# Allegro board RK3588_Template_LP4XD200P232SD8_41R0X41R0_2133MHz_H1R6_V11_20220216.brd (continued)
## Routing (per net, layer and track width the routed paths; a pad name or vN(x,y) marks a point on that pad's centre or on a via; arc(x,y) is an arc through that point) (continued)
  L3-POWER1 w0.104: 45.03,61.67 43,63.71 43,73.81 37.01,79.79 37.01,81.8 33.72,85.09
UART8_TX_M1_BT: length 36.3
  TOP w0.089: U1000.AD27 v1(50.02,57.13)
  L3-POWER1 w0.089: 45.03,61.02 46.64,59.42 46.86,59.42 47.11,59.18 47.11,58.95 47.29,58.77 47.51,58.77 47.72,58.56 47.72,58.33 47.94,58.12 48.81,58.12 49.02,57.91 49.02,57.68 49.24,57.47 49.67,57.47 v1(50.02,57.13)
  L3-POWER1 w0.104: 33.39,85.09 36.78,81.7 36.78,79.7 42.76,73.72 42.76,63.3 45.03,61.02
USB20_HOST0_DM: length 28.4
  TOP w0.084: U1000.AL6 v1(64.31,61.68)
  BOTTOM w0.084: v1(64.31,61.68) 64.58,61.42 64.77,61.42 64.83,61.36 65.13,61.36 65.46,61.68 65.46,62.82 68.67,66.04 87.21,66.04 88.4,64.85 89.03,64.85
USB20_HOST0_DP: length 28.4
  TOP w0.084: v1(64.31,61.03) U1000.AK6
  BOTTOM w0.084: 89.03,64.64 88.32,64.64 87.12,65.84 68.76,65.84 65.66,62.74 65.66,61.59 65.22,61.15 64.75,61.15 64.69,61.21 64.5,61.21 v1(64.31,61.03)
USB20_HOST1_DM: length 29.2
  TOP w0.084: v1(63.01,62.33) U1000.AM7
  BOTTOM w0.084: v1(63.01,62.33) 63.24,62.1 63.36,62.1 63.62,62.36 63.85,62.36 64.03,62.54 64.03,62.65 64.03,62.76 64.2,62.93 64.31,62.93 64.42,62.93 68.42,66.93 87.71,66.93 88.91,65.74 89.03,65.74
USB20_HOST1_DP: length 29.1
  TOP w0.084: v1(63.01,61.68) U1000.AL7
  BOTTOM w0.084: v1(63.01,61.68) 63.24,61.9 63.45,61.9 63.7,62.16 63.93,62.16 68.5,66.73 87.63,66.73 88.82,65.53 89.03,65.53
USB_HOST_PWREN_H: length 48.8
  TOP w0.089: U1000.AK26 v1(50.67,60.38)
  L6-S2 w0.089: v1(50.67,60.38) 50.67,60.46 50.32,60.8 50.32,61.5 50.53,61.71 50.53,62.64 50.42,62.76 50.42,63.86
  L6-S2 w0.104: 50.42,63.86 50.42,64.01 52.4,65.99 52.4,68.37 57.14,73.11 57.71,73.68 60.14,73.68 60.15,73.7 62.53,73.7 62.55,73.68 80.42,73.68 81.05,74.31 81.35,74.61 89.03,74.61
VGA_HPDIN_L: length 43.9
  TOP w0.089: v1(51.97,44.78) U1000.E25
  L6-S2 w0.104: v1(46.48,27.81) 46.36,27.69 32.75,27.69 32.36,28.08 23.88,28.08
  BOTTOM w0.089: 52.7,41.04 52.7,42.13 52.29,42.55 52.29,42.76 52.29,42.77 52.29,42.96 52.29,44.45 v1(51.97,44.78)
  BOTTOM w0.104: v1(46.48,27.81) 47.88,29.21 47.88,34.93 51.05,38.1 52.32,38.1 52.7,38.48 52.7,41.04
VSEL4: length 45
  TOP w0.089: U1000.T32 v1(46.76,51.93)
  TOP w0.104: v1(98.81,104.78) R1109.1
  L3-POWER1 w0.089: 44.99,53.86 45.11,53.74 45.14,53.74 46.76,52.12 v1(46.76,51.93)
  L3-POWER1 w0.104: 44.99,53.86 33.02,65.83 33.02,66.84 29.1,70.76 26.39,70.76 26.2,70.76 24.85,72.11 24.85,85.09
VSEL5: length 25.5
  TOP w0.089: U1000.T30 48.39,51.6 v1(48.72,51.93)
  BOTTOM w0.089: 44.1,50.42 43.97,50.54 42.93,50.54 ; v1(48.72,51.93) 48.39,51.6 48.39,51.15 48.01,50.76 45.79,50.76 45.6,50.95 45.24,50.95 44.71,50.42
  BOTTOM w0.104: 44.1,50.42 44.22,50.3 44.59,50.3 44.71,50.42 ; v1(25.78,48.9) 25.91,48.77 28.26,48.77 29.14,49.65 29.14,49.92 29.15,49.93 29.16,49.93 29.46,50.23 38.3,50.23 38.61,50.54 42.93,50.54
WIFI_REG_ON_H: length 32.1
  TOP w0.089: U1000.AH29 v1(48.72,59.73)
  L3-POWER1 w0.089: 46.38,63.86 46.46,63.78 46.46,63.5 46.64,63.32 46.92,63.32 47.11,63.13 47.11,61.55 47.32,61.34 47.54,61.34 47.76,61.13 47.76,60.9 47.94,60.72 48.16,60.72 48.72,60.17 v1(48.72,59.73)
  L3-POWER1 w0.104: 34.7,85.09 37.7,82.08 37.7,80.08 38.11,79.67 38.11,79.67 45.85,71.94 45.85,64.39 46.38,63.86
WIFI_WAKE_HOST_H: length 29.6
  TOP w0.089: U1000.K29 49.04,47.7 v1(49.37,47.38)
  L6-S2 w0.089: v1(49.37,47.38) 49.02,47.73 45.95,47.73 45.72,47.5 44.99,47.5
  L6-S2 w0.104: v1(25.27,40.39) 25.53,40.13 25.53,39.37 25.65,39.24 27.81,39.24 29.59,41.02 29.59,41.78 30.1,42.29 39.08,42.29 44.29,47.5 44.99,47.5
XIN24M: length 12
  TOP w0.203: Y1100.3 36.43,50.35 38.66,50.35 38.86,50.55 38.86,51.1 39.07,51.31 39.82,51.31 C1102.1 40.58,51.05 R1103.2 41.4,51.05 41.87,50.58 42.66,50.58 43.17,51.08 45.66,51.08 U1000.R34
XOUT24M: length 4.7
  TOP w0.203: R1101.2 R1103.1 42.67,51.05 43.05,51.44 45.62,51.44 U1000.T34
N16895373: length 1.8
  TOP w0.203: v1(13.72,58.8) 13.45,58.54 U4000.C2
  BOTTOM w0.104: C4009.1 v1(13.72,58.8)
N17716140: length 3.4
  BOTTOM w0.508: C2261.2 88.34,106.44 D2200.2 87.45,107.7 86.94,107.19 R2216.2
N17724884: length 19.3
  TOP w0.089: v1(48.72,49.33) 48.39,49.65 U1000.N30
  TOP w0.104: R1107.1 31.62,49.46 v1(31.62,49.66)
  L6-S2 w0.089: v1(48.72,49.33) 48.37,49.68 48.2,49.68 48.19,49.67 47.94,49.67 47.93,49.68 47.55,49.68 47.54,49.67 46.61,49.67 46.6,49.65 45.15,49.65 45.15,49.66 44.99,49.66
  L6-S2 w0.104: v1(31.62,49.66) 32.53,50.57 42.14,50.57 43.05,49.66 44.99,49.66
N17725044: length 45.1
  TOP w0.089: U1000.R32 v1(46.76,51.28)
  L3-POWER1 w0.089: v1(46.76,51.28) 46.42,51.62 46.42,52.1 44.99,53.53
  L3-POWER1 w0.104: 24.62,85.09 24.62,72.01 26.1,70.53 26.48,70.53 29,70.53 32.79,66.75 32.79,65.73 44.66,53.86 44.99,53.53
N17758514: length 3.4
  TOP w0.203: U2301.D4 U2301.D3 U2301.E3 ; U2301.D4 U2301.E4 ; U2301.D4 36.47,14.37 36.58,14.48 ; U2301.E3 U2301.E4 ; U2301.E3 37.28,13.53 ; U2301.E4 36.87,14.26 ; U2301.E4 37.3,13.93
N17758921: length 3
  TOP w0.203: U2300.E4 U2300.D4 ; U2300.E4 46.52,14.39 ; U2300.E4 U2300.E3 ; U2300.E4 46.95,14.06 ; U2300.D4 46.12,14.37 ; U2300.D4 U2300.D3 U2300.E3 ; U2300.E3 46.81,13.66
N17759951: length 2.3
  TOP w0.203: U2303.E4 69.28,80.05 69.37,80.14 ; U2303.E4 U2303.D4 U2303.D3 U2303.E3 ; U2303.E4 U2303.E3 ; U2303.E3 69.68,80.08 69.62,80.14
N18051724: length 0.9
  TOP w0.254: U1000.AF20 v1(54.57,57.78)
  BOTTOM w0.254: v1(54.57,57.78) 54.36,57.98 C1600.1
N18051781: length 1
  TOP w0.254: U1000.AF19 v1(55.22,57.78)
  BOTTOM w0.254: v1(55.22,57.78) 55.37,57.78 C1608.1
N18063750: length 0.9
  TOP w0.102: U3800.G2 v1(76.06,52.47)
  BOTTOM w0.102: v1(76.06,52.47) 76.04,52.45 R3806.2
N18063752: length 1.1
  TOP w0.089: U3800.A5 v1(79.06,56.98)
  BOTTOM w0.102: R3809.2 79.6,57.04 79.13,57.04 v1(79.06,56.98)
N18063754: length 0.9
  TOP w0.254: v1(80.83,56.96) U3800.A8
  BOTTOM w0.102: v1(80.83,56.96) 80.75,57.04 80.42,57.04 R3810.2
N18396694: length 2.4
  TOP w0.254: v1(107.78,109.77) U2302.1
  BOTTOM w0.104: R2304.2 108.08,109.47 v1(107.78,109.77) 107.49,109.47 C2329.1
N18396710: length 4.2
  TOP w0.254: v1(107.7,106.97) U2302.5
  BOTTOM w0.254: v1(107.7,106.97) 107.41,107.26 R2307.1 105.55,107.26 R2305.2 C2320.2
N19366700: length 0.9
  TOP w0.089: U1000.G8 v1(63.01,45.43)
  BOTTOM w0.089: v1(63.01,45.43) 62.87,45.58 R1202.1
N21016906: length 4.1
  TOP w0.203: Y1100.1 38.35,51.22 38.35,51.25 38.79,51.69 39.93,51.69 40.13,51.89 40.13,52 40.33,52.2 40.46,52.07 R1101.1
N23213062: length 1.1
  TOP w0.089: v1(55.87,44.78) 56.19,45.1 U1000.F18
  BOTTOM w0.089: v1(55.87,44.78) 56.08,44.78 R1203.1
N23230466: length 14.4
  TOP w0.086: 34.04,50.98 R1317.1
  TOP w0.089: 34.04,50.98 34.04,52.2 34.4,52.56 34.56,52.56 34.56,52.57 38.51,52.57 39.16,53.21 43.28,53.21 43.53,52.97 43.53,52.86 43.94,52.45 45.21,52.45 45.66,52.9 U1000.V34
N24141374: length 1.5
  TOP w0.119: v1(63.66,45.43) 63.34,45.75 U1000.H7
  BOTTOM w0.089: v1(63.66,45.43) 63.63,45.47 R1201.1
N24452184: length 2.3
  TOP w0.107: U4000.H5 v1(10.95,56.71)
  BOTTOM w0.104: R4003.2 R4004.1
  BOTTOM w0.107: R4004.1 10.94,56.72 v1(10.95,56.71)
N25235330: length 0.9
  TOP w0.254: U1000.AF3 v1(66.26,57.78)
  BOTTOM w0.254: v1(66.26,57.78) 66.66,57.78 R1730.1
N26065462: length 8.3
  TOP w0.089: U1000.Y32 47.09,54.2 v1(46.76,54.53)
  BOTTOM w0.086: R1314.1 39.7,54.1 39.83,53.98 39.84,53.98 40,53.81 44.99,53.81
  BOTTOM w0.089: v1(46.76,54.53) 46.04,53.81 44.99,53.81
N26065494: length 9.5
  TOP w0.089: v1(46.76,55.18) 47.09,54.85 U1000.AA32
  BOTTOM w0.086: 44.99,54.1 40.14,54.1 39.69,54.54 38.93,54.54 38.67,54.8 38.67,54.95 R1315.1
  BOTTOM w0.089: v1(46.76,55.18) 45.68,54.1 44.99,54.1
N26065519: length 10.7
  TOP w0.086: R1316.1 37.37,53.12 37.37,53.12
  TOP w0.089: U1000.V33 46.21,52.9 45.91,53.2 45.32,53.2 45.21,53.1 45.21,52.82 45.11,52.71 44.96,52.71 44.86,52.82 44.86,53.1 44.75,53.2 43.96,53.2 43.43,53.72 38.93,53.72 38.81,53.59 38.48,53.59 37.97,53.08 37.41,53.08 37.37,53.12
N26065546: length 16.3
  TOP w0.086: 38.61,56.26 34.8,56.26 34.42,55.88 32.16,55.88 30.89,54.61 R1318.1
  TOP w0.089: U1000.AA34 44.59,54.85 44.26,55.18 39.94,55.18 38.86,56.26 38.61,56.26
N63228233: length 1
  TOP w0.102: U3801.T2 58.32,32.79 58,33.11 v1(58,33.12)
  BOTTOM w0.102: v1(58,33.12) 58.25,33.37 R3817.1
N63228239: length 1.1
  TOP w0.102: v1(63.77,33.16) U3801.G2
  BOTTOM w0.102: v1(63.77,33.16) 64.03,33.43 R3816.2
N63228245: length 1.3
  TOP w0.102: U3801.A5 v1(68.4,30.68)
  BOTTOM w0.102: v1(68.4,30.68) 68.83,30.24 R3818.2
N63228247: length 2
  TOP w0.102: U3801.A8 68.07,27.81 68.33,27.56 68.86,27.56
  TOP w0.104: v1(69.22,27.79) 68.99,27.56 68.86,27.56
  BOTTOM w0.102: R3819.2 68.86,27.81
  BOTTOM w0.104: v1(69.22,27.79) 69.19,27.81 68.86,27.81
N63380732: length 1
  TOP w0.102: U3800.T2 v1(76,47.24)
  BOTTOM w0.102: v1(76,47.24) 75.87,47.37 R3807.1
N65887084: length 0.9
  TOP w0.254: U1000.W8 v1(63.01,53.23)
  BOTTOM w0.254: R1200.1 63,53.21 v1(63.01,53.23)

## Copper pours and planes (outline as drawn; the poured copper is in the pictures)
GND on TOP (solid shape): 74.83,77.72 71.53,77.72 71.15,78.11 71.15,78.99 71.25,78.99 71.51,79.25 74.83,79.25
GND on TOP (solid shape): 36.32,11.81 36.32,7.49 36.2,7.37 34.29,7.37 34.16,7.49 34.16,11.3 35.05,12.19 35.94,12.19
GND on TOP (solid shape): 42.42,21.72 42.42,17.91 42.04,17.53 41.15,17.53 40.89,17.78 40.89,21.72 41.02,21.84 42.29,21.84
GND on TOP (solid shape): 104.39,102.49 104.14,102.23 103.38,102.23 103.12,102.49 103.12,104.39 103.38,104.65 103.38,105.54 103.5,105.66 104.39,105.66
GND on TOP (solid shape): 68.86,79.12 68.86,77.09 68.73,76.96 67.31,76.96 67.31,78.99 68.22,78.99 68.35,79.12 68.46,79.12 68.58,79.25 68.73,79.25
GND on TOP (solid shape): 84.18,101.36 83.13,101.36 82.83,101.06 82.83,100.71 82.83,100.71 80.12,100.71 79.76,101.07 79.76,101.32 79.45,101.64 79.76,101.95 84.18,101.95
GND on TOP (solid shape): 83.09,99.06 83.18,99 83.16,98.89 82.44,98.17 78.74,98.17 78.74,99.06
GND on TOP (solid shape): 66.36,23.3 69.09,23.3 69.19,23.24 69.16,23.13 68.92,22.89 66.21,22.89 65.35,23.75 65.92,23.75
GND on TOP (solid shape): 36.07,21.34 36.07,14.99 36.19,14.86 36.19,14.35 35.21,14.35 35.16,14.4 34.37,14.4 34.29,14.48 34.29,15.75 34.04,16 34.04,19.81 34.42,20.19 34.42,21.08 34.92,21.59 35.81,21.59
GND on TOP (solid shape): 92.2,112.17 92.27,112.26 92.38,112.24 92.48,112.14 93.08,112.14 93.32,111.91 93.32,109.3 92.98,108.96 92.63,108.96 92.41,108.74 92.2,108.94
GND on TOP (solid shape): 34.2,52.84 34.25,52.81 34.24,52.75 33.79,52.3 33.79,51.2 32.29,51.2 32.29,51.13 29.61,51.13 29.51,51.23 19.18,51.23 19.18,51.68 29.64,51.68 29.72,51.6 33.36,51.6 33.59,51.83 33.59,52.35 34.08,52.84
GND on TOP (solid shape): 44.84,55.92 44.92,55.88 44.94,55.8 44.95,55.67 45.01,55.56 45.01,55.37 44.83,55.37 44.48,55.72 40.13,55.72 40.11,55.74 40.09,55.85 40.18,55.92
GND on TOP (solid shape): 45.72,19.94 45.72,19.56 45.47,19.3 45.47,18.54 45.72,18.29 45.72,17.91 45.47,17.65 45.47,16.89 45.72,16.64 45.72,16.26 45.47,16 45.47,15.11 45.59,14.99 45.73,14.99 45.86,14.85 45.87,14.74 45.87,14.71 45.86,14.68 45.85,14.64 45.85,14.52 45.8,14.48 44.86,14.48 44.83,14.51 44.04,14.51 43.94,14.61 43.94,19.69 44.32,20.07 45.59,20.07
GND on TOP (solid shape): 87.52,105.54 88.03,105.54 88.08,105.49 88.08,104.39 88.08,104.34 88.1,104.28 88.1,104.17 88.13,104.14 88.14,104.08 88.09,104.05 87.53,104.05 87.17,104.41 87.2,104.47 87.23,104.47 87.23,104.52 87.38,104.52 87.38,105.28 87.23,105.28 87.23,105.33 87.16,105.33 87.16,105.74 87.32,105.74
GND on TOP (solid shape): 19.18,54.27 19.24,54.36 19.35,54.34 19.58,54.11 20.69,54.11 20.78,54.13 20.86,54.18 20.96,54.28 21.13,54.11 29.85,54.11 29.97,53.98 31.09,53.98 31.48,54.37 31.55,54.29 31.58,54.24 31.15,53.81 29.79,53.81 29.64,53.66 19.34,53.66 19.18,53.82
GND on TOP (solid shape): 43.81,12.57 43.81,12.19 43.94,12.07 44.34,12.07 44.45,12.05 44.56,12.07 44.58,12.07 44.59,12.08 44.7,12.15 44.78,12.26 44.83,12.32 45.75,12.32 45.75,12.31 45.97,12.09 45.97,11.81 45.72,11.56 45.72,10.41 45.97,10.16 45.97,9.78 45.72,9.53 45.72,8.13 45.97,7.87 45.97,7.62 45.85,7.49 43.94,7.49 42.8,8.64 42.8,12.7 42.93,12.83 43.56,12.83
GND on TOP (solid shape): 106.68,111.38 106.68,110.62 106.43,110.36 106.43,109.22 106.68,108.97 106.68,107.7 106.66,107.67 106.61,107.67 106.61,107.62 106.55,107.57 106.55,106.3 106.59,106.27 108.59,106.27 108.7,106.16 108.7,102.6 108.59,102.49 107.06,102.49 106.93,102.62 106.93,102.87 106.93,102.87 106.93,104.45 106.61,104.78 106.43,104.78 106.43,105.54 106.17,105.79 106.17,105.9 105.66,106.4 105.66,107.55 105.41,107.8 105.41,108.84 105.79,109.22 105.79,110.24 105.28,110.74 105.28,111.38 105.41,111.51 106.55,111.51
GND on TOP (solid shape): 38.71,55.68 39.37,55.02 39.39,54.91 39.3,54.85 38.97,54.85 38.92,54.9 38.92,55.15 38.57,55.49 37.44,55.49 37.36,55.57 35.02,55.57 34.7,55.24 33.4,55.24 33,54.84 32.62,54.84 32.56,54.77 32.55,54.77 32.01,54.23 31.99,54.23 31.95,54.26 31.96,54.32 32.02,54.39 32.1,54.5 32.14,54.62 32.27,54.66 32.38,54.74 32.46,54.82 32.5,54.89 32.53,54.98 32.65,55.1 32.69,55.26 32.69,55.28 32.76,55.34 34.09,55.34 34.1,55.34 34.64,55.34 35.02,55.72 38.67,55.72
GND on TOP (solid shape): 98.66,110.77 98.93,110.65 99.21,110.77 99.22,110.79 99.28,110.79 99.29,110.77 99.4,110.69 99.52,110.65 99.57,110.64 99.57,108.84 99.81,108.84 99.81,107.82 99.72,107.82 99.44,107.55 99.44,106.07 99.84,105.66 100.58,105.66 100.58,104.75 100.55,104.7 100.5,104.71 100.44,104.78 99.16,104.78 99.16,104.82 99.03,105.05 98.78,105.13 98.71,105.15 98.67,105.2 97.54,105.2 97.54,105.36 97.77,105.36 97.77,105.41 97.92,105.41 97.92,106.17 97.77,106.17 97.77,106.22 97.54,106.22 97.54,106.38 97.77,106.38 97.77,106.43 97.92,106.43 97.92,107.19 97.77,107.19 97.77,107.23 96.91,107.23 96.91,107.23 96.87,107.15 96.77,107.14 96.74,107.15 96.7,107.16 96.61,107.22 96.64,107.33 96.91,107.6 97.64,107.6 97.64,107.64 97.79,107.64 97.79,108.41 97.64,108.41 97.64,108.45 97.56,108.45 97.56,108.64 97.62,108.71 98.54,108.71 98.54,110.02 98.43,110.02 98.43,110.71 98.54,110.71 98.54,110.79 98.64,110.79
GND on TOP (solid shape): outline of 82 points within 19.18,52.76 38.5,55.07
GND on TOP (solid shape): outline of 395 points within 68.02,35.51 86.04,42.18
GND on TOP (solid shape): outline of 8361 points within 19.18,4.06 120.52,126.49
GND on BOTTOM (solid shape): 49.04,51.75 49.37,51.6 49.69,51.75 49.77,51.71 49.8,51.68 49.84,51.6 49.8,51.53 49.74,51.45 49.7,51.37 49.7,51.36 49.37,51.03 49.37,50.66 49.37,50.65 49.35,50.54 49.37,50.44 49.37,50.35 49.3,50.3 49.2,50.26 49.12,50.19 49.04,50.16 48.71,50.31 48.39,50.16 48.31,50.19 48.29,50.22 48.26,50.24 48.26,50.32 48.05,50.53 48.53,51.01 48.56,50.99 48.99,51.09 48.93,51.53 48.89,51.6 48.93,51.68 48.96,51.71
GND on BOTTOM (solid shape): 59.96,52.74 60.01,52.75 60.05,52.7 60.05,52.55 60.1,52.5 60.1,52.49 60.14,52.4 60.2,52.33 60.24,52.25 60.09,51.93 60.24,51.6 60.09,51.28 60.24,50.95 60.2,50.88 60.1,50.55 60.34,50.31 60.35,50.31 60.45,50.21 60.45,50.19 60.47,50.11 60.52,50.05 60.55,49.98 60.44,49.88 60.36,49.92 60.13,50.04 59.89,49.93 59.81,49.89 59.73,49.93 59.62,50.01 59.48,50.04 59.45,50.05 59.43,50.08 59.39,50.16 59.33,50.23 59.29,50.3 59.33,50.38 59.39,50.45 59.43,50.54 59.43,50.55 59.55,50.67 59.56,50.67 59.75,50.95 59.57,51.23 59.56,51.23 59.52,51.28 59.56,51.32 59.57,51.33 59.75,51.6 59.57,51.88 59.56,51.88 59.52,51.93 59.57,51.98 59.58,51.98 59.74,52.26 59.56,52.53 59.56,52.53 59.47,52.62 59.46,52.67 59.51,52.7 59.92,52.7
GND on BOTTOM (solid shape): 50.34,47.2 50.42,47.16 50.49,47.1 50.58,47.06 50.59,47.06 51.19,46.46 51.27,46.46 51.27,46.33 51.28,46.26 51.28,45.81 51.27,45.72 51.28,45.64 51.28,45.07 50.61,44.4 50.59,44.4 50.46,44.38 50.35,44.31 50.31,44.3 50.28,44.32 50.03,44.46 49.77,44.34 49.69,44.31 49.36,44.46 49.04,44.31 48.96,44.34 48.92,44.38 48.88,44.41 48.85,44.43 48.85,44.51 49.1,44.51 49.56,44.97 49.56,45.17 49.59,45.19 49.61,45.21 49.69,45.25 50.02,45.1 50.34,45.25 50.42,45.21 50.9,45.2 50.88,45.68 50.84,45.75 50.88,45.83 50.9,46.31 50.42,46.29 50.34,46.26 50.26,46.29 50.09,46.4 49.88,46.38 49.85,46.37 49.82,46.39 49.79,46.43 49.76,46.47 49.69,46.54 49.69,46.73 49.7,46.76 49.74,46.78 49.84,46.8 49.93,46.86 50.01,46.94 50.03,46.97 50.06,47.02 50.1,47.06 50.11,47.06 50.19,47.1 50.26,47.16
GND on BOTTOM (solid shape): 54.41,60.68 54.48,60.61 54.52,60.52 54.58,60.45 54.62,60.38 54.58,60.3 54.48,60.14 54.49,59.96 54.5,59.94 54.56,59.85 54.63,59.8 54.64,59.79 54.68,59.75 54.64,59.71 54.63,59.71 54.48,59.46 54.6,59.19 54.65,59.11 54.62,59.03 54.54,58.7 54.82,58.51 54.92,58.51 55.03,58.54 55.1,58.61 55.17,58.67 55.26,58.64 55.33,58.56 55.33,58.55 55.35,58.48 55.39,58.43 55.42,58.36 55.39,58.29 55.35,58.23 55.33,58.16 55.33,58.14 55.29,58.1 55.27,58.1 55.11,58.09 54.97,57.99 54.89,57.96 54.81,57.99 54.74,58.05 54.65,58.09 54.6,58.35 54.36,58.47 54.26,58.47 54.14,58.43 54.07,58.33 54.06,58.29 53.95,58.29 53.89,58.35 53.84,58.41 53.57,58.67 53.11,58.67 53.04,58.6 52.96,58.57 52.88,58.62 52.86,58.65 52.83,58.68 52.79,58.75 52.94,59.08 52.79,59.4 52.94,59.73 52.79,60.05 52.83,60.13 52.92,60.26 52.94,60.41 52.98,60.5 53.08,60.51 53.34,60.49 53.59,60.59 53.96,60.48 54.31,60.65
GND on BOTTOM (solid shape): outline of 91 points within 57.6,45.21 62.67,47.18
GND on BOTTOM (solid shape): outline of 24647 points within 2.92,4.06 120.52,126.49
GND on L2-GND1 (solid shape): outline of 44155 points within 19.18,4.06 120.52,126.49
GND on L3-POWER1 (solid shape): 94.87,101.35 94.87,98.91 93.98,98.02 93.98,96.63 93.87,96.52 88.37,96.52 88.27,96.63 88.27,102 88.88,102.62 93.6,102.62
GND on L3-POWER1 (solid shape): 32.58,66.66 32.58,66.07 32.52,65.97 32.41,65.99 28.25,70.15 28.23,70.26 28.32,70.33 28.92,70.33
GND on L3-POWER1 (solid shape): 33.46,66.58 33.52,66.67 33.63,66.65 34.4,65.88 34.4,65.64 35.24,64.8 36.09,64.8 41.69,59.2 41.69,58.02 41.63,57.92 41.52,57.95 33.46,66.01
GND on L3-POWER1 (solid shape): 43.51,73.41 43.57,73.5 43.69,73.48 45.39,71.78 45.39,63.63 45.45,63.56 45.5,63.53 45.9,63.13 45.88,63.1 45.89,62.84 46.12,62.71 46.2,62.68 46.23,62.61 46.23,61.65 46.16,61.56 46.05,61.58 45.21,62.42 45.18,62.47 43.51,64.13
GND on L3-POWER1 (solid shape): 80.58,99.02 80.58,98.26 82.93,95.91 82.93,93.24 83.46,92.71 93.45,92.71 93.86,93.11 93.97,93.14 94.03,93.04 94.03,92 93.97,91.9 93.86,91.92 93.83,91.95 86,91.95 85.75,91.69 84.73,91.69 83.84,90.81 81.79,90.81 81.66,90.93 81.66,95.48 80.88,96.27 78.73,96.27 78.64,96.33 78.54,96.36 78.45,96.43 78.48,96.53 79.25,97.3 79.25,99.8 79.1,99.95 79.07,100.06 79.16,100.12 79.26,100.15 79.34,100.19 79.38,100.22
GND on L3-POWER1 (solid shape): outline of 135 points within 65.91,43.43 71.37,49.78
GND on L3-POWER1 (solid shape): outline of 8662 points within 19.18,4.06 120.52,126.49
GND on L4-GND2 (solid shape): 103.52,68.35 103.63,68.37 103.69,68.28 103.69,40.3 99.72,36.32 89.81,36.32 88.97,35.48 88.86,35.46 88.8,35.56 88.8,44.36 99.34,54.9 99.34,64.17
GND on L4-GND2 (solid shape): 88.56,103.24 88.62,103.34 88.73,103.32 90.19,101.85 93.49,101.85 93.85,101.49 93.85,96.75 92.96,95.86 92.96,95.86 92.9,95.76 92.79,95.78 92.31,96.27 88.75,96.27 88.39,96.63 88.39,102.05 88.56,102.21
GND on L4-GND2 (solid shape): 89.74,70.71 89.85,70.74 89.92,70.64 89.92,69.83 89.28,69.19 89.28,67.71 89.92,67.08 89.92,55.52 90.45,54.99 96.88,54.99 98.1,56.21 98.21,56.23 98.27,56.14 98.27,55.34 88.18,45.25 88.07,45.23 88.01,45.32 88.01,68.98
GND on L4-GND2 (solid shape): 60.58,41.43 60.64,41.53 60.75,41.5 60.83,41.42 60.83,41.01 60.77,40.84 60.83,40.66 60.83,39.95 60.77,39.77 60.83,39.6 60.83,36.98 61.51,36.31 61.53,36.19 61.43,36.13 60.49,36.13 60.39,36.19 60.41,36.31 60.58,36.47
GND on L4-GND2 (solid shape): 87.56,27.76 87.67,27.78 87.73,27.69 87.73,25.24 85.12,22.63 55.96,22.63 55.54,23.05 54.65,23.05 54.25,23.45 54.23,23.56 54.33,23.62 56.41,23.62 56.64,23.48 56.87,23.62 57.58,23.62 57.66,23.61 57.73,23.62 78.85,23.62 79.51,23.41 80.18,23.62 83.42,23.62
GND on L4-GND2 (solid shape): outline of 377 points within 99.56,90.35 104.75,101.65
GND on L4-GND2 (solid shape): outline of 638 points within 71.37,96.65 79.63,102.75
GND on L4-GND2 (solid shape): outline of 1108 points within 19.18,4.06 120.52,126.49
GND on L5-POWER2 (solid shape): outline of 705 points within 43.05,77.21 69.39,88.27
GND on L5-POWER2 (solid shape): outline of 23241 points within 19.18,4.06 120.52,126.49
GND on L6-S2 (solid shape): 52.2,66.08 51.79,65.67 51.68,65.64 51.61,65.74 51.61,67.96 51.93,68.28 52.2,68.28
GND on L6-S2 (solid shape): 71.73,59.22 71.82,59.16 71.8,59.05 69.85,57.1 69.78,57.02 69.6,57.02 69.6,57.2 71.12,58.73 71.61,59.22
GND on L6-S2 (solid shape): 42.86,52.84 42.86,52.81 42.87,52.68 42.93,52.56 42.93,52.27 37.96,52.27 37.48,51.79 33.19,51.79 33.1,51.85 33.12,51.96 33.54,52.39 38.85,52.39 39.47,53.01 42.68,53.01
GND on L6-S2 (solid shape): 55.17,42.97 55.28,42.99 55.34,42.9 55.34,42.52 55.24,42.42 55.24,41.96 54.65,41.36 54.65,40.35 54.48,40.18 54.37,40.16 54.3,40.25 54.3,41.57 54.68,41.95 54.68,42.49
GND on L6-S2 (solid shape): 30.38,55.34 31.97,55.34 32.04,55.31 32.07,55.25 32.08,55.21 32.09,55.17 32.08,55.08 32,55.03 25.09,55.03 24.99,55.09 25.01,55.2 25.53,55.72 30,55.72
GND on L6-S2 (solid shape): 68.27,42.06 69.72,42.06 69.82,41.96 69.84,41.85 69.75,41.79 68.37,41.79 66.88,43.28 66.85,43.31 66.78,43.35 66.02,43.35 65.8,43.57 65.78,43.68 65.88,43.74 66.59,43.74
GND on L6-S2 (solid shape): 62.66,43.22 62.71,43.13 62.71,42.54 64.67,40.59 64.87,40.59 65.01,40.46 65.03,40.35 64.94,40.28 64.42,40.28 62.22,42.48 62.22,43.04 62.17,43.09 62.17,43.18 62.23,43.18 62.24,43.17 62.4,43.15 62.55,43.21
GND on L6-S2 (solid shape): 82.03,57.72 82.05,57.61 81.96,57.54 81.79,57.47 81.7,57.31 81.7,57.29 81.65,57.24 81.58,57.31 81.51,57.36 81.44,57.38 81.41,57.39 81.39,57.43 81.39,57.91 81.12,58.19 80.9,58.19 80.74,58.35 80.72,58.46 80.81,58.52 81.22,58.52
GND on L6-S2 (solid shape): 67.1,56.07 67.19,56.01 67.17,55.9 66.21,54.94 66.02,54.94 65.94,54.98 65.92,55.07 65.93,55.26 65.83,55.43 65.79,55.5 65.83,55.58 65.92,55.7 65.94,55.85 65.94,55.87 66.02,55.96 66.9,55.96 67.02,56.07
GND on L6-S2 (solid shape): 57.13,38.85 57.13,37.15 57.09,37.11 56.59,37.11 56.36,36.89 56.29,36.86 56.21,36.89 56.13,36.97 56.13,37.1 56.2,37.1 56.45,37.35 56.45,37.38 56.49,37.45 56.85,37.54 56.97,37.8 56.97,37.82 56.97,38.18 56.66,38.49 56.5,38.49 56.45,38.52 56.46,38.58 56.48,38.59 56.48,38.9 56.6,38.9 56.84,39.13
GND on L6-S2 (solid shape): 72.51,58.52 72.6,58.46 72.58,58.35 72.53,58.28 72.51,58.19 72.51,58.09 72.45,58.09 72.39,58.11 72.34,58.12 72.07,58.12 69.78,55.83 69.76,55.83 69.51,55.71 69.41,55.37 69.33,55.33 69.01,55.33 68.92,55.4 68.94,55.51 69.85,56.42 70.03,56.42 70.46,56.85 72.13,58.52
GND on L6-S2 (solid shape): 64.64,43.3 64.72,43.26 64.84,43.18 64.99,43.15 65.01,43.15 65.08,43.08 65.08,42.89 65.09,42.88 65.09,42.78 65.08,42.76 65.08,42.46 65.27,42.28 65.33,42.24 65.41,42.22 65.83,42.22 66.35,41.7 66.35,41.57 66.96,40.96 66.98,40.92 67.01,40.89 69.38,38.52 69.38,38.05 69.32,37.96 69.21,37.98 65.2,41.98 64.98,41.98 64.18,42.77 64.18,43.05 64.22,43.12 64.29,43.15 64.44,43.18 64.56,43.26
GND on L6-S2 (solid shape): 72.25,51.97 72.35,51.99 72.42,51.9 72.58,51.64 72.88,51.62 72.89,51.62 73.65,51.62 73.88,51.85 74.16,51.85 74.25,51.81 74.26,51.71 74.22,51.6 74.23,51.49 74.21,51.41 74.13,51.37 72.5,51.37 72.23,51.65 71.67,51.65 71.39,51.37 71.18,51.37 70.9,51.65 70.34,51.65 70.06,51.37 69.86,51.37 69.58,51.65 69.02,51.65 68.74,51.37 68.54,51.37 68.26,51.65 67.7,51.65 67.42,51.37 67.13,51.37 66.88,51.63 66.86,51.65 66.81,51.68 66.81,51.76 72.03,51.76
GND on L6-S2 (solid shape): 32.63,54.02 32.72,53.98 32.73,53.88 32.97,53.51 33.21,53.88 33.22,53.98 33.3,54.02 33.88,54.02 34.45,53.45 37.49,53.45 37.84,53.81 38.04,53.81 38.13,53.75 38.11,53.64 38.02,53.55 38.02,53.39 37.92,53.29 28.93,53.29 28.01,52.38 26.92,52.38 26.82,52.44 26.84,52.55 27.61,53.32 27.93,53.32 28.63,54.02
GND on L6-S2 (solid shape): 67.02,38.2 67.08,38.3 67.19,38.27 67.24,38.23 67.24,33.77 66.56,33.09 66.35,33.09 66.02,32.76 65.98,32.69 65.91,32.67 65.86,32.67 65.78,32.69 65.75,32.77 65.75,33.31 66.13,33.69 66.13,33.87 66.23,33.98 66.59,33.96 66.64,34.32 66.61,34.35 66.67,34.42 66.67,34.7 66.71,34.77 66.78,34.8 67.1,35 67.02,35.37
GND on L6-S2 (solid shape): 66.42,45.49 66.45,45.45 66.47,45.41 66.64,45.25 66.67,45.25 66.67,45.21 66.71,45.18 66.74,45.1 66.7,45.03 66.61,44.66 66.92,44.45 66.94,44.45 68.64,42.75 68.65,42.69 68.6,42.66 68.53,42.66 66.84,44.35 65.86,44.35 65.83,44.38 65.8,44.46 65.83,44.53 65.94,44.78 65.79,45.1 65.83,45.18 65.92,45.3 65.94,45.45 65.94,45.47 66.03,45.57 66.34,45.57
GND on L6-S2 (solid shape): 56.26,35.19 56.29,35.24 56.35,35.23 56.6,34.98 56.98,34.98 56.98,34.43 57.08,34.33 57.08,33.93 56.75,33.93 56.24,33.42 56.24,32.9 56.03,32.69 56.03,32.61 55.99,32.6 55.81,32.5 55.72,32.32 55.65,32.24 55.55,32.26 55.5,32.31 55.5,32.82 55.77,33.08 55.77,33.54 55.9,33.67 55.93,33.66 56.25,33.79 56.16,34.13 56.12,34.17 56.18,34.23 56.19,34.24 56.36,34.53 56.18,34.81 56.17,34.82 56.13,34.86 56.2,34.92 56.24,34.99 56.26,35.07
